# Altium PCB DM1097_R2M0E2.PcbDoc (part 1 of 7) (continued)
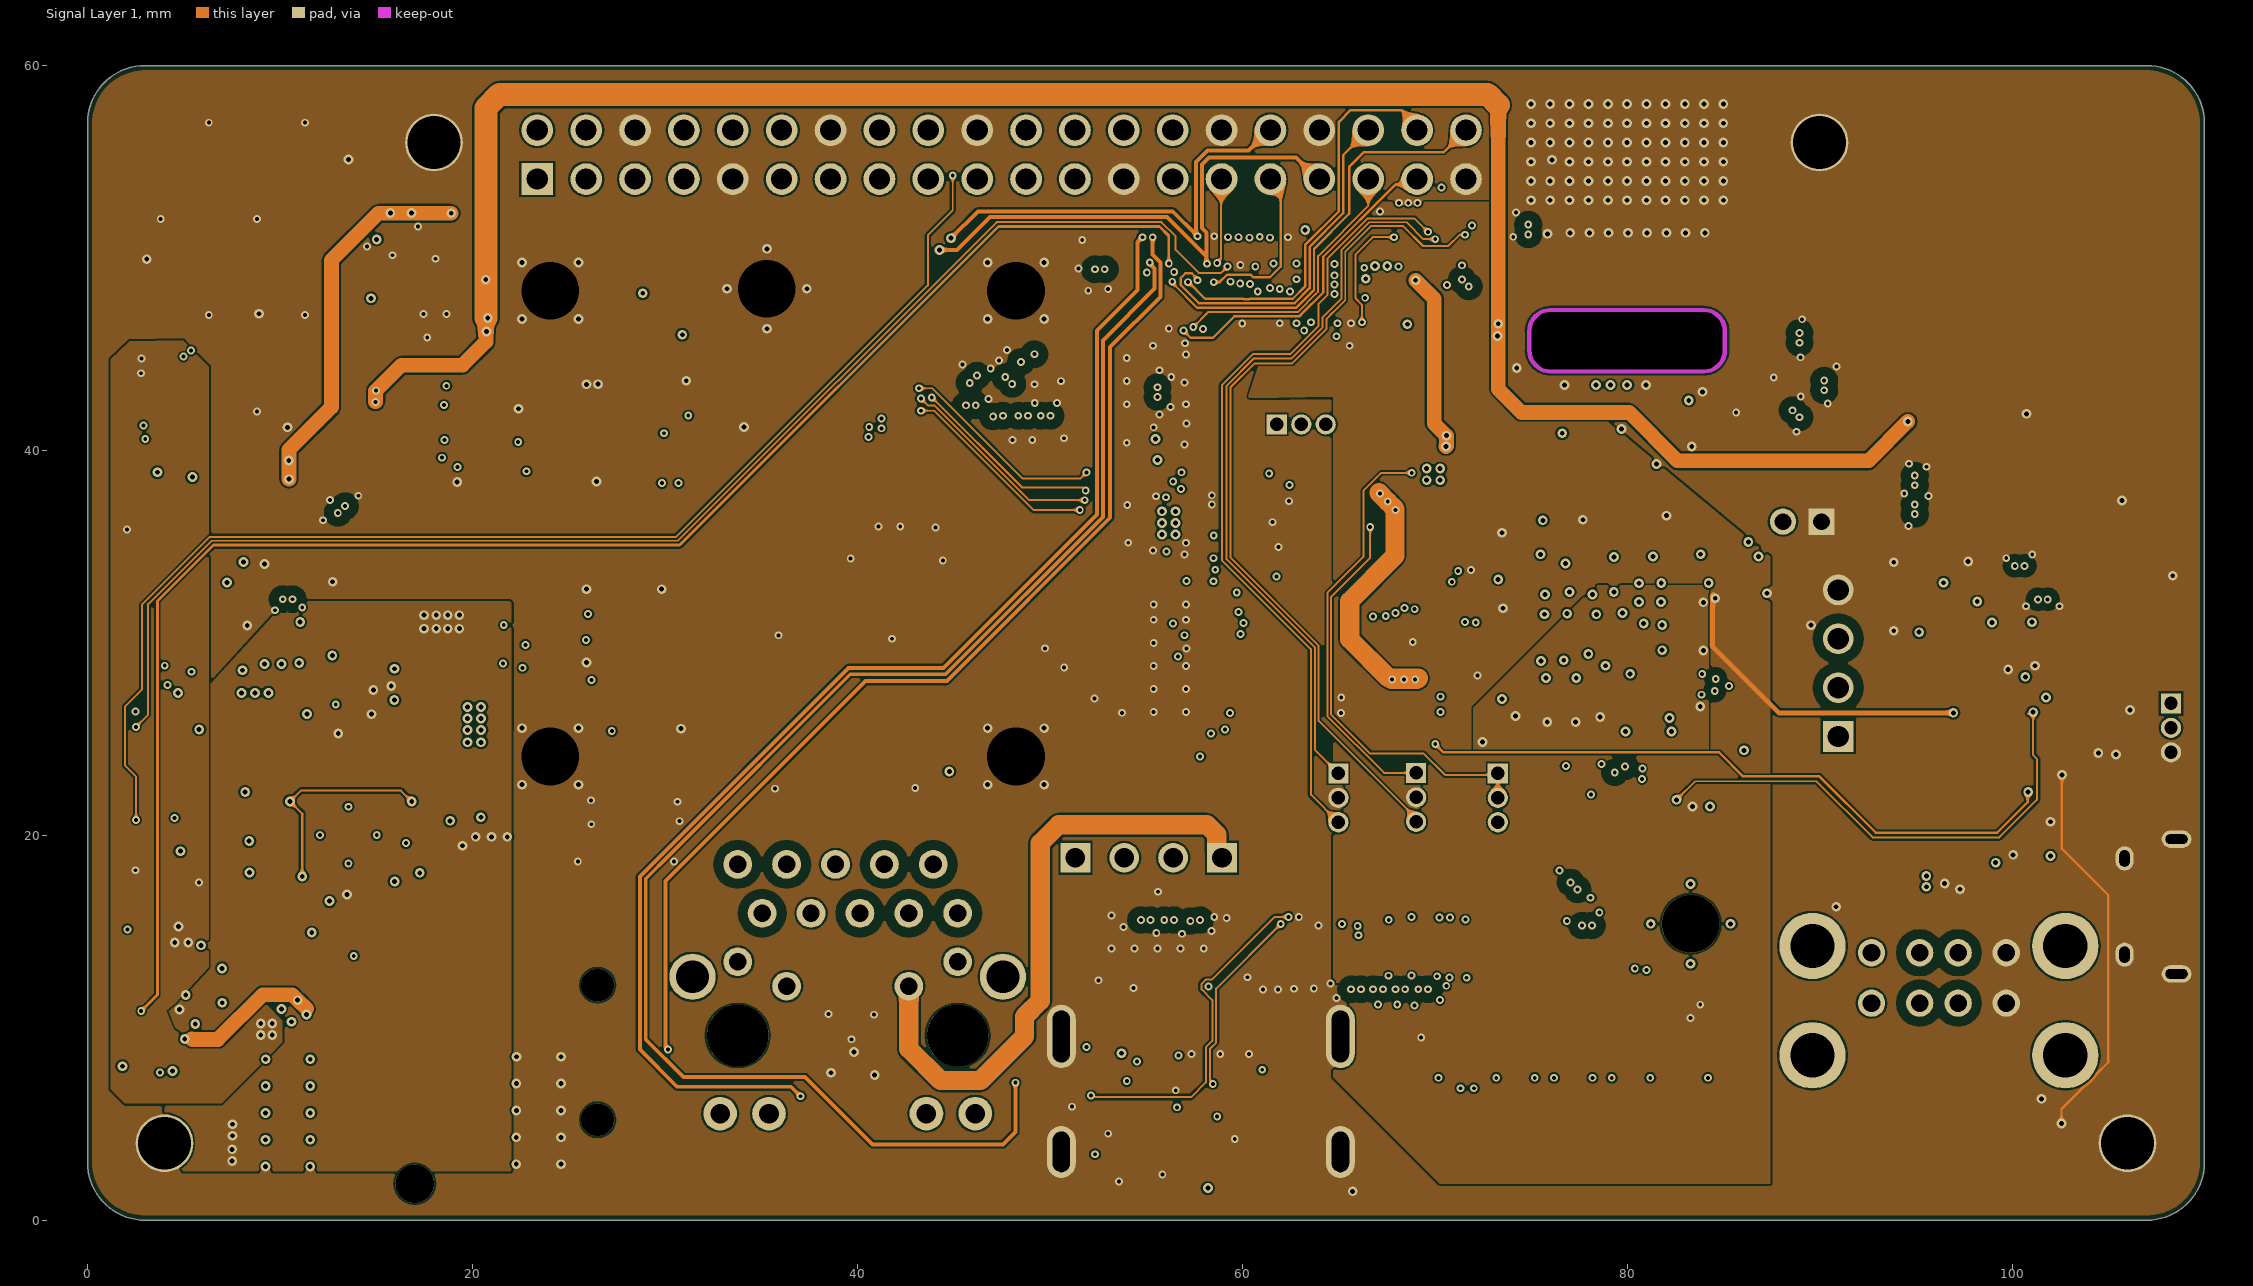
[diagram p4: Signal Layer 1]
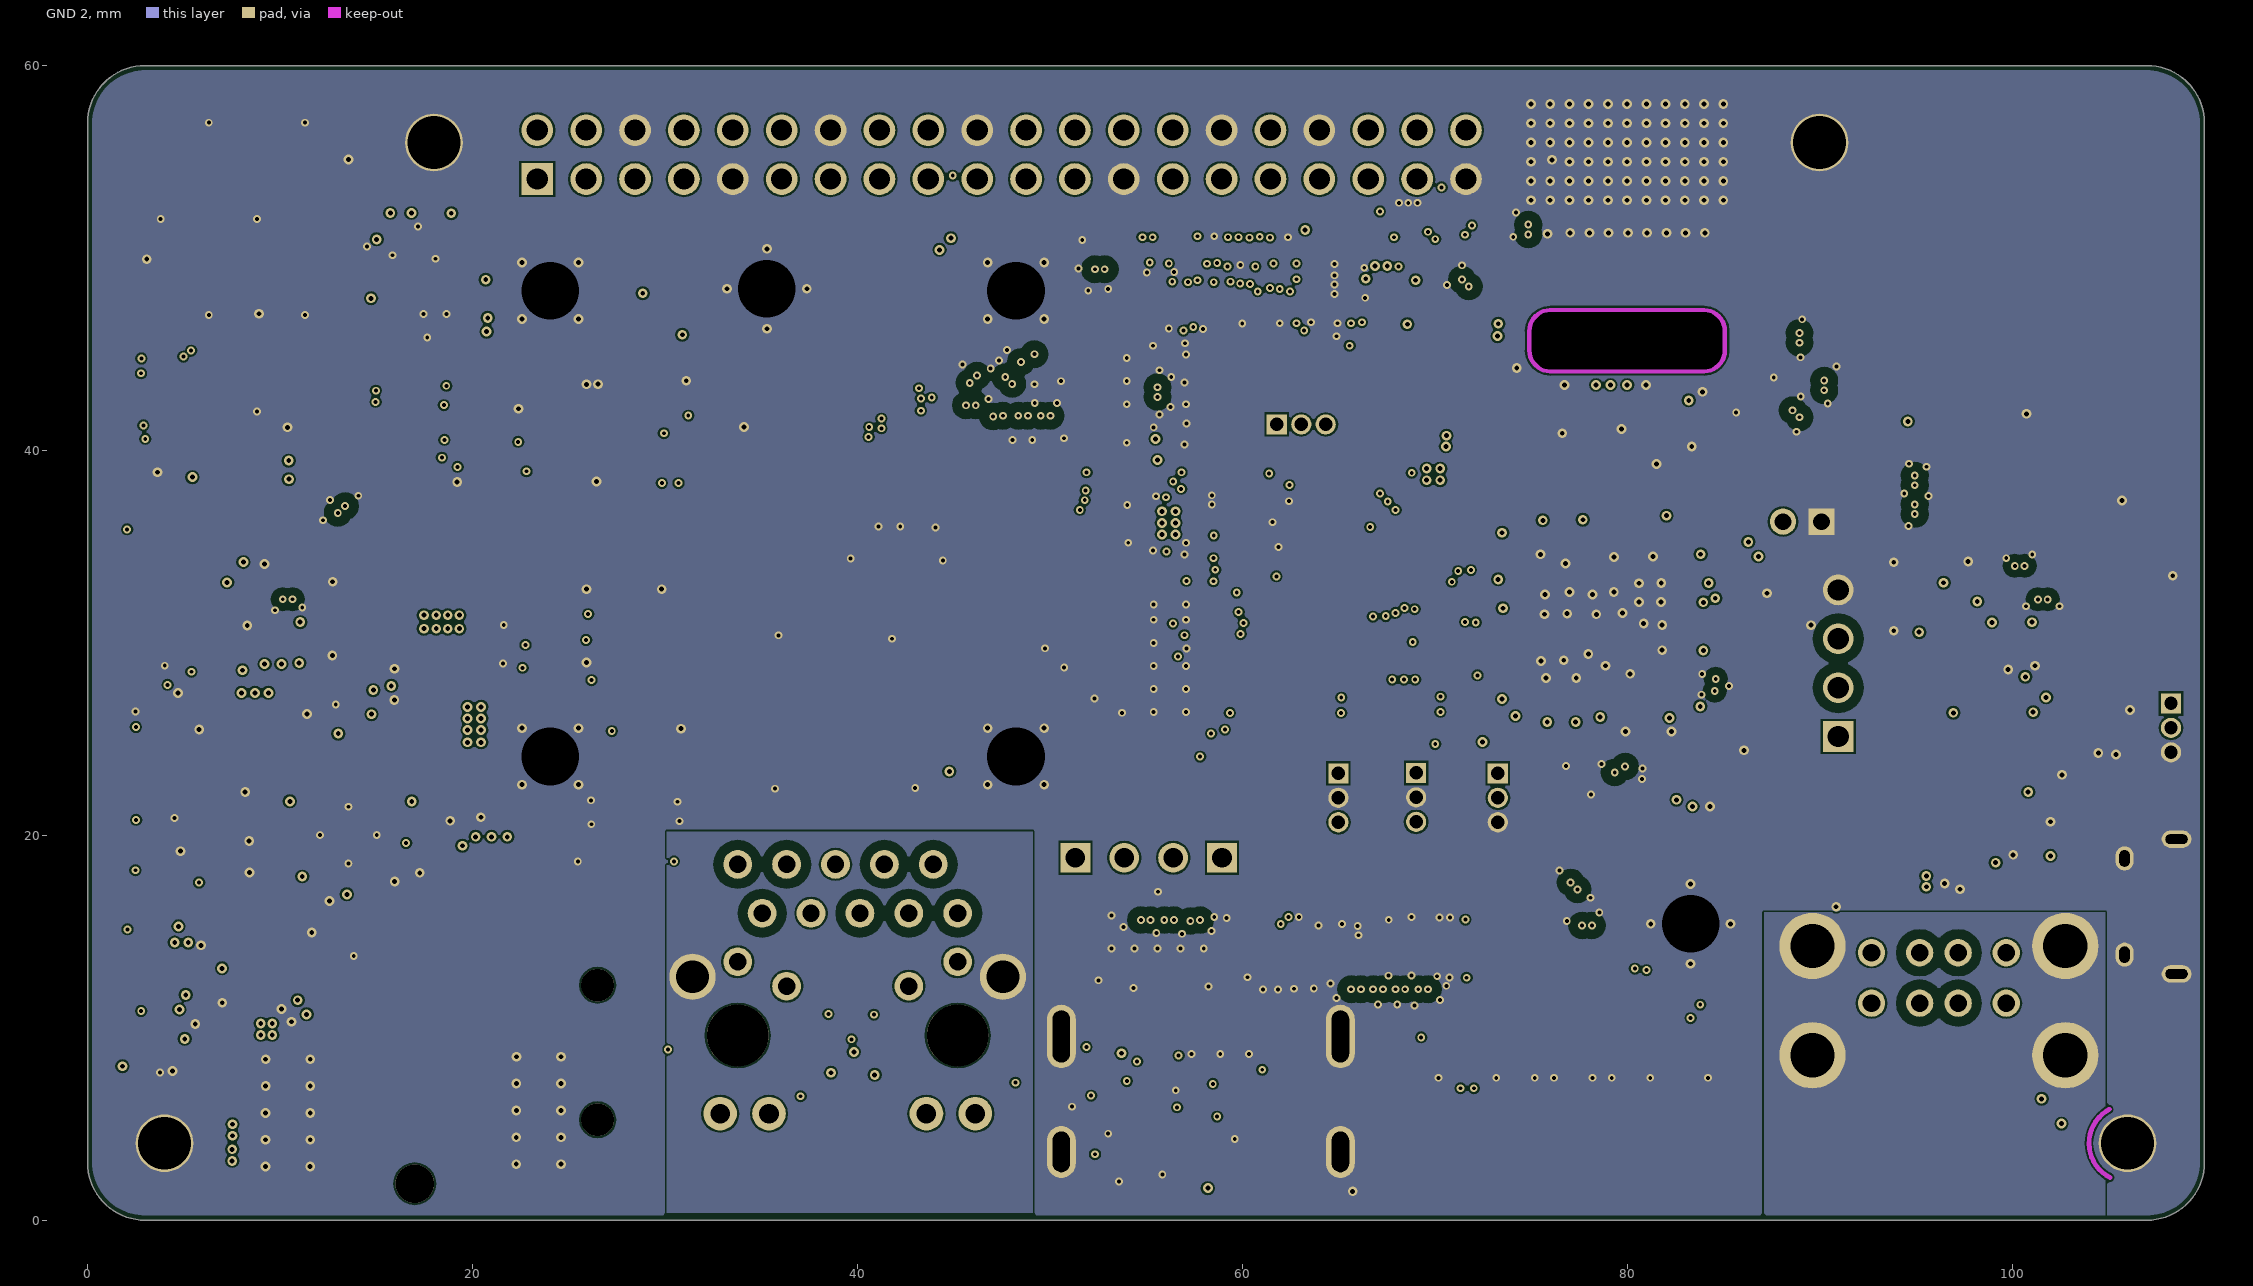
[diagram p5: GND 2]

## Layer stack, top to bottom
Top Mask: solder mask 0.015, Solder Resist, Dk 3.8
Top Copper: signal copper 0.035
Dielectric 1: prepreg 0.1, 2313, Dk 4.05
GND 1: signal copper 0.0175
Core 1: core 0.565, FR-4, Dk 4.5
PWR: signal copper 0.0175
Dielectric 2: prepreg 0.127, 2116, Dk 4.25
Signal Layer 1: signal copper 0.0175
Core 2: core 0.565, FR-4, Dk 4.5
GND 2: signal copper 0.0175
Dielectric 3: prepreg 0.1, 2313, Dk 4.05
Bottom Copper: signal copper 0.035
Bottom Mask: solder mask 0.015, Solder Resist, Dk 3.8

## Board outline
0,3 ccw(c3,3) 3,0 107,0 ccw(c107,3) 110,3 110,57 ccw(c107,57) 107,60 3,60 ccw(c3,57) 0,57

## Design rules (kind name [scope] priority, off if disabled: settings)
AssemblyTestPointUsage [All] p1: valid=2
AssemblyTestpoint [(IsPad And (OnTopLayer Or OnBottomLayer)) Or (IsVia) Or (IsPad And OnMultiLayer)] p1: testpointundercomponent=FALSE minsize=0.381 maxsize=2.54 preferedsize=1.27 minholesize=0 maxholesize=1.016 preferedholesize=0.813 testpointgrid=0.025 usegrid=FALSE gridtolerance=0 allowsidetop=TRUE allowsidebottom=TRUE minspacing=1.27 compbodyclearance=1.27
BoardOutlineClearance [All] p1: gap=0.25 ignorepadtopadclearanceinfootprint=FALSE except(0: Fill-OutlineEdge Fill-CavityEdge Fill-CutoutEdge Fill-SplitBarrior Fill-SplitContinuation Region-OutlineEdge Region-CavityEdge Region-CutoutEdge Region-SplitBarrior Region-SplitContinuation Text-OutlineEdge Text-CavityEdge Text-CutoutEdge Text-SplitBarrior Text-SplitContinuation)
Clearance Diff_Pair_Spacing [(InDifferentialPairClass('All Differential Pairs'))] p1: gap=0.102 ignorepadtopadclearanceinfootprint=FALSE except(0.508: Arc-Poly Track-Poly SMDPad-Poly THPad-Poly Via-Poly Fill-Poly Poly-Poly)
Clearance general [All] p2: gap=0.102 ignorepadtopadclearanceinfootprint=FALSE
ComponentClearance [All] p1 off: gap=0.025 collisioncheckmode=3 verticalgap=0.2 showdistances=FALSE
DiffPairsRouting 90ohm_diff_pair [InDifferentialPairClass('90ohm')] p1: maxlimit=0.254 minlimit=0.127 mostfreqgap=0.254 toplayer_maxgap=0.127 toplayer_prefgap=0.127 toplayer_minwidth=0.134 toplayer_maxwidth=0.139 toplayer_prefwidth=0.139 bottomlayer_maxgap=0.127 bottomlayer_prefgap=0.127 bottomlayer_minwidth=0.134 bottomlayer_maxwidth=0.139 bottomlayer_prefwidth=0.139 impedanceprofiledriven=TRUE impedanceprofileid={C1912A4C-65C1-4797-8795-EF72CF71D0A5} impedanceprofilevalue=90.000000 maxuncoupledlength=12.7
DiffPairsRouting 100ohm_Diff_pair [InDifferentialPairClass('100ohm')] p2: maxlimit=0.254 minlimit=0.127 mostfreqgap=0.254 toplayer_maxgap=0.127 toplayer_prefgap=0.127 toplayer_minwidth=0.101 toplayer_maxwidth=0.102 toplayer_prefwidth=0.102 bottomlayer_maxgap=0.127 bottomlayer_prefgap=0.127 bottomlayer_minwidth=0.101 bottomlayer_maxwidth=0.102 bottomlayer_prefwidth=0.102 impedanceprofiledriven=TRUE impedanceprofileid={318BE688-9DA0-420A-BC2E-641F9C148295} impedanceprofilevalue=100.000000 maxuncoupledlength=12.7
FabricationTestPointUsage [All] p1: valid=2 allowmultiple=TRUE
FabricationTestpoint [(IsPad And (OnTopLayer Or OnBottomLayer)) Or (IsVia) Or (IsPad And OnMultiLayer)] p1: side=3 testpointundercomponent=TRUE minsize=0.381 maxsize=2.54 preferedsize=1.27 minholesize=0 maxholesize=1.016 preferedholesize=0.813 testpointgrid=0.025 allowsidetop=TRUE allowsidebottom=TRUE usegrid=FALSE gridtolerance=0 minspacing=1.27 boardedgeclearance=0.254
HoleSize [All] p1: absolutevalues=TRUE maxlimit=7.62 minlimit=0.025 maxpercent=80.000 minpercent=20.000
MatchedLengths USB [InDifferentialPair('USB_D') OR InDifferentialPair('USBB_D')OR InDifferentialPair('USBD0')OR InDifferentialPair('USBD2')OR InDifferentialPair('USBD3')OR InDifferentialPair('USBD4')OR InDifferentialPair('USBD5')OR InDifferentialPair('USB_RX')OR InDifferentialPair('USB_TX')] p1: tolerance=0.127 checknetsindiffpair=TRUE checkdiffpairvsdiffpair=FALSE checkxsignals=FALSE checkothers=FALSE
MatchedLengths ETH [InNetClass('ETH')] p2: tolerance=0.127 checknetsindiffpair=TRUE checkdiffpairvsdiffpair=FALSE checkxsignals=FALSE checkothers=FALSE
MatchedLengths "Schematic Matched Net Lengths_5" [InNetClass('SPI')] p3: tolerance=2.54 checknetsindiffpair=FALSE checkdiffpairvsdiffpair=TRUE checkxsignals=TRUE checkothers=TRUE
MatchedLengths "Schematic Matched Net Lengths_4" [InNetClass('SDIO')] p4: tolerance=2.54 checknetsindiffpair=FALSE checkdiffpairvsdiffpair=TRUE checkxsignals=TRUE checkothers=TRUE
MatchedLengths "Schematic Matched Net Lengths_3" [InNetClass('uSD')] p5: tolerance=2.54 checknetsindiffpair=FALSE checkdiffpairvsdiffpair=TRUE checkxsignals=TRUE checkothers=TRUE
MatchedLengths "Schematic Matched Net Lengths_2" [InNetClass('HDMI')] p6: tolerance=25 checknetsindiffpair=FALSE checkdiffpairvsdiffpair=TRUE checkxsignals=TRUE checkothers=TRUE
MatchedLengths "Schematic Matched Net Lengths_1" [InNetClass('CM3_DSI')] p7: tolerance=0.127 checknetsindiffpair=TRUE checkdiffpairvsdiffpair=FALSE checkxsignals=FALSE checkothers=FALSE
MatchedLengths "Schematic Matched Net Lengths" [InNetClass('CM3_CSI')] p8: tolerance=0.127 checknetsindiffpair=TRUE checkdiffpairvsdiffpair=FALSE checkxsignals=FALSE checkothers=FALSE
MatchedLengths USB_XSIGNALS [InxSignalClass('USB_RX_XSIGNALS')  OR             InxSignalClass('USB_RX_XSIGNALS')] p9: tolerance=0.127 checknetsindiffpair=TRUE checkdiffpairvsdiffpair=FALSE checkxsignals=FALSE checkothers=FALSE
MatchedLengths MIPI_CAM_A [InNetClass('MIPI_CAM_A')] p10: tolerance=0.127 checknetsindiffpair=FALSE checkdiffpairvsdiffpair=TRUE checkxsignals=TRUE checkothers=TRUE
MatchedLengths MIPI_CAM_B [InNetClass('MIPI_CAM_B')] p11: tolerance=0.127 checknetsindiffpair=FALSE checkdiffpairvsdiffpair=TRUE checkxsignals=TRUE checkothers=TRUE
MatchedLengths MIPI_CAM_C [InNetClass('MIPI_CAM_C')] p12: tolerance=0.127 checknetsindiffpair=FALSE checkdiffpairvsdiffpair=TRUE checkxsignals=TRUE checkothers=TRUE
MatchedLengths DIFF_PAIR [InDifferentialPairClass('All Differential Pairs')] p13: tolerance=0.127 checknetsindiffpair=TRUE checkdiffpairvsdiffpair=FALSE checkxsignals=FALSE checkothers=FALSE
MinimumSolderMaskSliver MinimumSolderMaskSliver_isvia [IsVia] p1: minsoldermaskwidth=0
MinimumSolderMaskSliver [All] p2: minsoldermaskwidth=0.089
PlaneConnect [All] p1: pad.planeconnectstyle=Relief pad.reliefexpansion=0.508 pad.reliefentries=4 pad.reliefconductorwidth=0.254 pad.reliefairgap=0.254 via.planeconnectstyle=Direct via.reliefexpansion=0.508 via.reliefentries=4 via.reliefconductorwidth=0.254 via.reliefairgap=0.254
PolygonConnect OuterLayerGND_PolyClass [InNet('GND')AND (OnBottomLayer or OnTopLayer)] p1: thpad.connectstyle=Direct thpad.reliefconductorwidth=0.254 thpad.reliefentries=4 thpad.polygonreliefangle="90 Angle" thpad.airgapwidth=0.254 smdpad.connectstyle=Relief smdpad.reliefconductorwidth=0.254 smdpad.reliefentries=4 smdpad.polygonreliefangle="90 Angle" smdpad.airgapwidth=0.127 via.connectstyle=Direct via.reliefconductorwidth=0.254 via.reliefentries=4 via.polygonreliefangle="90 Angle" via.airgapwidth=0.254
PolygonConnect GenericPoly [All] p2: connectstyle=Direct reliefconductorwidth=0.254 reliefentries=4 polygonreliefangle="90 Angle" airgapwidth=0.254
RoutingCorners [All] p1: cornerstyle=45-Degree minsetback=0.254 maxsetback=0.254
RoutingVias Diff_pair_vias [InDifferentialPairClass('All Differential Pairs')] p1: holewidth=0.711 width=1.27 viastyle="Through Hole" minholewidth=0.711 minwidth=1.27 maxholewidth=0.711 maxwidth=1.27 useviatemplates=TRUE viatemplateguid#1={52BECDD7-DB76-4075-9825-308AA568E8C7} viatemplatename#1=v41h20m0mx0
RoutingVias [All] p2: holewidth=0.203 width=0.406 viastyle="Through Hole" minholewidth=0.203 minwidth=0.406 maxholewidth=25.4 maxwidth=25.4 viatemplateguid#1={52BECDD7-DB76-4075-9825-308AA568E8C7} viatemplateguid#2={DFD8D5F6-C493-4F14-85EE-ABBFA8E9D12F} viatemplatename#1=v41h20m0mx0 viatemplatename#2=v51h25m0mx0
SilkToSilkClearance [All] p1: silktosilkclearance=0.102
SilkToSolderMaskClearance SilkscreenOverComponentPads [IsPad] p1: minsilkscreentomaskgap=0 clearancetoexposedcopper=FALSE
SolderMaskExpansion [All] p1: expansion=0.051 istentingtop=FALSE
UnRoutedNet [All] p1: checkbadconnections=TRUE
ViasUnderSMD GND_Pad_VIP_Exception [InComponent('U7')] p1: allowed=TRUE
ViasUnderSMD GND_Pad_VIP_Exception_1 [InComponent('J6')] p2: allowed=TRUE
ViasUnderSMD [All] p3: allowed=FALSE
Width "Schematic Width Constraint" [InNetClass('PoE')] p1: maxlimit=1.27 minlimit=0.102 preferedwidth=0.381
Width Power_Trace [InNetClass('Power_trace')] p2: maxlimit=2.54 minlimit=0.102 preferedwidth=0.762 minimp=50.000000 maximp=50.000000 favimp=50.000000
Width GND [InNet('GND')] p3: maxlimit=0.508 minlimit=0.102 preferedwidth=0.254
Width [All] p4: maxlimit=2.54 minlimit=0.102 preferedwidth=0.127
17 further rules are at their usual default settings.

## Classes and differential pairs
net class PoE: CT1 CT2 SP1 SP2
net class ETH: TRD1_N TRD1_P TRD2_N TRD2_P TRD3_N TRD3_P TRD4_N TRD4_P
component class DM1097_MODULE: C89 C91 C92 D4 D5 J16 J17 J20 J24 J26 J27 J29 R16 R54 R55 R56 R57 R63 R66 R100 R101 U11
net class SPI: SPI_SCK SPI_SIO0 SPI_SIO1 SPI_SIO2 SPI_SIO3 SPI_SS_0 SPI_SS_1
net class SDIO: SD_HST0_CD SD_HST0_CLK SD_HST0_CMD SD_HST0_D0 SD_HST0_D1 SD_HST0_D2 SD_HST0_D3 SD_HST0_D4
polygon class OuterGND: GND_L01_P775 GND_L06_P803
net class uSD: SDX_CLK SDX_CMD SDX_D0 SDX_D1 SDX_D2 SDX_D3
net class HDMI: HDMI_CLK_N HDMI_CLK_P HDMI_D0_N HDMI_D0_P HDMI_D1_N HDMI_D1_P HDMI_D2_N HDMI_D2_P
net class CM3_DSI: DSI1_CLK_N DSI1_CLK_P DSI1_D0_N DSI1_D0_P DSI1_D1_N DSI1_D1_P
net class CM3_CSI: CAM1_CLK_N CAM1_CLK_P CAM1_D0_N CAM1_D0_P CAM1_D1_N CAM1_D1_P
component class DM1097_RIGHT_OV9282: C36 C37 C38 C40 C44 C50 FB5 FB7 FB9 J19 R35 R36 TP7
differential pair class 100ohm: CAM1_CLK CAM1_D0 CAM1_D1 DSI1_CLK DSI1_D0 DSI1_D1 HDMI_CLK HDMI_D0 HDMI_D1 HDMI_D2 MIPI_RX2_C MIPI_RX2_D0 MIPI_RX2_D1 MIPI_RX3_C MIPI_RX3_D0 MIPI_RX3_D1 MIPI_RX4_C MIPI_RX4_D0 MIPI_RX4_D1 MIPI_RX5_D0 MIPI_RX5_D1 RX TRD1 TRD2 TRD3 TRD4 TX
component class DM1097_MODULE_HSPEED: CM4 R64
component class DM1097_uSD: C87 J23 R52 R53 TP13
component class DM1097_LEFT_OV9282: C29 C31 C32 C33 C34 C35 FB4 FB6 FB8 J18 R33 R34 R37 R79 R80 R81 R82 R83 R84 R85
component class DM1097_Power_Supply: C18 C19 C20 C21 C22 C24 C25 C27 C28 C30 C39 C41 C42 C43 C45 C46 C47 C48 C49 C51 C52 C53 C54 C55 C57 C59 C60 C126 C127 D6 J6 J15 L1 L2 L3 Q5 R4 R6 R7 R8 R9 R10 R11 R12 R13 R14 R15 R19 R20 R29 R30 R77 tc U3 U4 U5
component class DM1097_MIPI_IO: J13 J14
component class DM1097_IMX378: C12 C13 C14 C15 C16 C17 FB1 FB2 FB3 J11 R28
component class DM1097_HUB: C56 C58 C61 C62 C63 C64 C65 C66 C67 C68 C69 C70 C71 C72 C73 C74 C75 C76 C77 C78 C79 C80 C81 C82 C83 C84 C85 C86 D10 D11 J21 J22 J28 L4 L5 Q6 R38 R39 R40 R41 R42 R43 R44 R45 R46 R47 R48 R49 R50 R51 R78 TP1 TP2 TP3 TP4 TP5 TP8 TP9 TP11 TP12 U6 U7 U8 X1
component class DM1097_HDMI: C10 C11 J10 Q3 Q4 R26 R27 R59 R60 R61 U1 U2
component class DM1097_GPIOHDR: C6 C8 C9 J9 R31 R90
component class DM1097_RJ45: C7 D1 D2 D17 J4 J12 J30 R1 R3 R5 R21
component class DM1097_Connector: B1 C23 D3 J1 J5 J7 J8 M1 MTG5 MTG6 MTG7 MTG8 MTG9 MTG10 R18 R24 R25 R75 TP6 TP10 TP14 TP15 U10
component class DM1097_BootSel: J2 J3 Q1 R2
component class DM1097_AV: C93 C94 C95 C96 C97 J25 R68 R69 R70 R71 R72 R73 U9
differential pair class 90ohm: USB_D USB_RX USB_TX USBB_D USBD0 USBD2 USBD3 USBD4 USBD5
net class MIPI_CAM_C: MIPI_RX3_C_N MIPI_RX3_C_P MIPI_RX3_D0_N MIPI_RX3_D0_P MIPI_RX3_D1_N MIPI_RX3_D1_P
net class MIPI_CAM_B: MIPI_RX2_C_N MIPI_RX2_C_P MIPI_RX2_D0_N MIPI_RX2_D0_P MIPI_RX2_D1_N MIPI_RX2_D1_P
net class MIPI_CAM_A: MIPI_RX4_C_N MIPI_RX4_C_P MIPI_RX4_D0_N MIPI_RX4_D0_P MIPI_RX4_D1_N MIPI_RX4_D1_P MIPI_RX5_D0_N MIPI_RX5_D0_P MIPI_RX5_D1_N MIPI_RX5_D1_P
net class Power_trace: 1V2 1V2_L 1V2_R 1V05 1V05_IMX378 1V8 1V8_IMX378 1V8_L 1V8_R 2V8 2V8_IMX378 2V8_L 2V8_R 3V3 3V3_VDDA 5V_IN CM_1V8 CM_3V3 GPIO0-27_VREF H5V VBUS VBUS_USB3 VBUS_USB4 VBUSB VDD18CORE VDD18ETHPLL VDD18USBPLL VDD_5V
component class DM1097_TopLevel: FID1 FID2 FID3 FID4 FID5 FID6 MTG1 MTG2 MTG3 MTG4
differential pair TX: +TX_P -TX_N
differential pair RX: +RX_P -RX_N
differential pair TRD4: +TRD4_P -TRD4_N
differential pair TRD3: +TRD3_P -TRD3_N
differential pair TRD2: +TRD2_P -TRD2_N
differential pair TRD1: +TRD1_P -TRD1_N
differential pair HDMI_D1: +HDMI_D1_P -HDMI_D1_N
differential pair USBD5: +USBD5_P -USBD5_N
differential pair USBB_D: +USBB_D_P -USBB_D_N
differential pair USBD4: +USBD4_P -USBD4_N
differential pair USBD3: +USBD3_P -USBD3_N
differential pair USBD2: +USBD2_P -USBD2_N
differential pair USBD0: +USBD0_P -USBD0_N
differential pair HDMI_D2: +HDMI_D2_P -HDMI_D2_N
differential pair HDMI_D0: +HDMI_D0_P -HDMI_D0_N
differential pair HDMI_CLK: +HDMI_CLK_P -HDMI_CLK_N
differential pair DSI1_D1: +DSI1_D1_P -DSI1_D1_N
differential pair DSI1_D0: +DSI1_D0_P -DSI1_D0_N
differential pair DSI1_CLK: +DSI1_CLK_P -DSI1_CLK_N
differential pair CAM1_D1: +CAM1_D1_P -CAM1_D1_N
differential pair CAM1_D0: +CAM1_D0_P -CAM1_D0_N
differential pair CAM1_CLK: +CAM1_CLK_P -CAM1_CLK_N
differential pair MIPI_RX5_D1: +MIPI_RX5_D1_P -MIPI_RX5_D1_N
differential pair MIPI_RX5_D0: +MIPI_RX5_D0_P -MIPI_RX5_D0_N
differential pair MIPI_RX4_D1: +MIPI_RX4_D1_P -MIPI_RX4_D1_N
differential pair MIPI_RX4_D0: +MIPI_RX4_D0_P -MIPI_RX4_D0_N
differential pair MIPI_RX4_C: +MIPI_RX4_C_P -MIPI_RX4_C_N
differential pair MIPI_RX3_D1: +MIPI_RX3_D1_P -MIPI_RX3_D1_N
differential pair MIPI_RX3_D0: +MIPI_RX3_D0_P -MIPI_RX3_D0_N
differential pair MIPI_RX3_C: +MIPI_RX3_C_P -MIPI_RX3_C_N
differential pair MIPI_RX2_D1: +MIPI_RX2_D1_P -MIPI_RX2_D1_N
differential pair MIPI_RX2_D0: +MIPI_RX2_D0_P -MIPI_RX2_D0_N
differential pair MIPI_RX2_C: +MIPI_RX2_C_P -MIPI_RX2_C_N
differential pair USB_TX: +USB_TX_P -USB_TX_N
differential pair USB_RX: +USB_RX_P -USB_RX_N
differential pair USB_D: +USB_D_P -USB_D_N

## Components (designator, comment, footprint, x,y, rotation, side; value= is the part's Value field where it differs from the comment)
B1 "Off-Mom, 50mA" DTSM-32N-V 3.708,21.234 r90 top locked
C6 "1uF 0402" CAPC0402(1005)70_N 64.897,44.907 r270 bottom
C7 "0.1UF 0805" CAPC0805(2012)145_N 39.7,11.6 r90 bottom
C8 "0.1uF 0402" CAPC0402(1005)70_N 23.825,52.273 r180 bottom
C9 "0.1uF 0402" CAPC0402(1005)70_N 24.816,58.09 r180 bottom
C10 "0.1uF 0402" CAPC0402(1005)70_N 59.614,2.896 r270 bottom
C11 "0.1uF 0402" CAPC0402(1005)70_N 54.534,2.489 r90 bottom
C12 "0.1uF 0402" CAPC0402(1005)70_N 76.751,38.746 r180 bottom locked
C13 "10uF 0603" CAPC0603(1608)100_N 74.9,37.9 r90 bottom locked
C14 "0.1uF 0402" CAPC0402(1005)70_N 74.855,41.045 r90 bottom locked
C15 "10uF 0603" CAPC0603(1608)100_N 73.512,41.169 r90 bottom locked
C16 "0.1uF 0402" CAPC0402(1005)70_N 74.913,43.185 r270 bottom locked
C17 "10uF 0603" CAPC0603(1608)100_N 73.5,44.2 r270 bottom locked
C18 "2.2uF 0402" CAPC0402(1005)70_N 17.263,19.109 r270 top locked
C19 "22uF 0603" CAPC0603(1608)100_N 12.2,24.1 r180 top locked
C20 "22uF 0603" CAPC0603(1608)100_N 11.65,15.699 r180 top locked
C21 "10uF 0603" CAPC0603(1608)100_N 15.85,50.14 r90 top
C22 "10uF 0603" CAPC0603(1608)100_N 18.872,52.045 r0 top
C23 "4.7uF 0603" CAPC0603(1608)100_N 29.212,44.009 r180 top
C24 "10uF 0603" CAPC0603(1608)100_N 16.358,47.904 r180 top
C25 "10uF 0603" CAPC0603(1608)100_N 19.634,47.904 r0 top
C27 "22uF 0603" CAPC0603(1608)100_N 14.805,24.69 r270 top locked
C28 "47nF 0402" CAPC0402(1005)70_N 9.336,17.297 r180 top locked
C29 "0.1uF 0402" CAPC0402(1005)70_N 97.21,31.484 r0 bottom locked
C30 "22uF 0603" CAPC0603(1608)100_N 6.3,7.8 r180 top locked
C31 "10uF 0603" CAPC0603(1608)100_N 96.86,30.079 r0 bottom locked
C32 "0.1uF 0402" CAPC0402(1005)70_N 93.959,34.966 r0 top locked
C33 "10uF 0603" CAPC0603(1608)100_N 93.396,32.537 r90 top
C34 "0.1uF 0402" CAPC0402(1005)70_N 101.685,30.112 r90 bottom locked
C35 "10uF 0603" CAPC0603(1608)100_N 103.094,29.652 r90 bottom locked
C36 "0.1uF 0402" CAPC0402(1005)70_N 8.918,33.29 r180 bottom locked
C37 "10uF 0603" CAPC0603(1608)100_N 8.747,36.157 r270 bottom locked
C38 "0.1uF 0402" CAPC0402(1005)70_N 7.685,31.529 r90 bottom locked
C39 "22uF 0603" CAPC0603(1608)100_N 6.801,14.65 r90 top locked
C40 "10uF 0603" CAPC0603(1608)100_N 7.218,35.357 r270 bottom locked
C41 "22uF 0603" CAPC0603(1608)100_N 7.085,10.831 r180 top locked
C42 "22uF 0603" CAPC0603(1608)100_N 7.085,12.331 r180 top locked
C43 "22uF 0603" CAPC0603(1608)100_N 10.084,12.395 r0 top
C44 "0.1uF 0402" CAPC0402(1005)70_N 11.7,31.626 r270 bottom locked
C45 "22uF 0603" CAPC0603(1608)100_N 6.896,9.322 r180 top
C46 "47nF 0402" CAPC0402(1005)70_N 17.9,23 r180 top
C47 "10nF 0402" CAPC0402(1005)60_N 9.315,21.597 r180 top locked
C48 "22uF 0603" CAPC0603(1608)100_N 17.628,28.654 r180 top locked
C49 "22uF 0603" CAPC0603(1608)100_N 20.828,28.054 r0 top locked
C50 "10uF 0603" CAPC0603(1608)100_N 13.066,31.626 r270 bottom locked
C51 "22uF 0603" CAPC0603(1608)100_N 20.828,29.654 r0 top locked
C52 "22uF 0603" CAPC0603(1608)100_N 17.628,27.054 r180 top locked
C53 "47nF 0402" CAPC0402(1005)70_N 9.203,22.815 r180 top locked
C54 "22uF 0603" CAPC0603(1608)100_N 11.4,26.3 r90 top locked
C55 "22uF 0603" CAPC0603(1608)100_N 6.295,27.358 r180 top locked
C56 "0.1uF 0402" CAPC0402(1005)70_N 73.1,34.7 r270 top locked
C57 "10nF 0402" CAPC0402(1005)60_N 6.745,25 r180 top locked
C58 "0.1uF 0402" CAPC0402(1005)70_N 77.006,35.315 r90 bottom locked
C59 "10nF 0402" CAPC0402(1005)60_N 19.6,21.4 r270 top locked
C60 "10nF 0402" CAPC0402(1005)60_N 7.685,18.168 r270 top locked
C61 "0.1uF 0402" CAPC0402(1005)70_N 81.1,35.6 r90 bottom
C62 "0.1uF 0402" CAPC0402(1005)70_N 74.635,31.466 r180 bottom locked
C63 "0.1uF 0402" CAPC0402(1005)70_N 73.05,29.106 r270 top locked
C64 "0.1uF 0402" CAPC0402(1005)70_N 74.644,32.664 r180 bottom locked
C65 "0.1uF 0402" CAPC0402(1005)70_N 78.869,27.706 r270 bottom locked
C66 "0.1uF 0402" CAPC0402(1005)70_N 82.91,29.606 r0 bottom locked
C67 "0.1uF 0402" CAPC0402(1005)70_N 83.089,25.865 r90 bottom locked
C68 "0.1uF 0402" CAPC0402(1005)70_N 83.013,31.106 r0 bottom locked
C69 "0.1uF 0402" CAPC0402(1005)70_N 77.483,27.04 r270 bottom locked
C70 "0.1uF 0402" CAPC0402(1005)70_N 76.253,27.026 r270 bottom locked
C71 "0.1uF 0402" CAPC0402(1005)70_N 74.95,28.6 r270 bottom locked
C72 "4.7uF 0603" CAPC0603(1608)100_N 78.4,34.526 r270 bottom locked
C73 "0.1uF 0402" CAPC0402(1005)70_N 74.256,34.51 r270 bottom locked
C74 "0.1uF 0402" CAPC0402(1005)70_N 82.8,34.4 r0 bottom
C75 "0.1uF 0402" CAPC0402(1005)70_N 73.705,28.766 r270 bottom locked
C76 "1uF 0402" CAPC0402(1005)70_N 81.49,25.725 r90 bottom locked
C77 "10uF 0603" CAPC0603(1608)100_N 60.35,34.722 r180 bottom
C78 "10uF 0603" CAPC0603(1608)100_N 59.995,36.271 r180 bottom
C79 "22uF 0603" CAPC0603(1608)100_N 95.8,3.9 r0 bottom locked
C80 "22uF 0603" CAPC0603(1608)100_N 95.8,5.4 r0 bottom locked
C81 "22uF 0603" CAPC0603(1608)100_N 95.8,6.9 r0 bottom locked
C82 "22uF 0603" CAPC0603(1608)100_N 95.8,8.4 r0 bottom locked
C83 "0.1uF 0402" CAPC0402(1005)70_N 90.412,16.955 r180 top locked